# KiCad board EBAZ4205.kicad_pcb (continued)
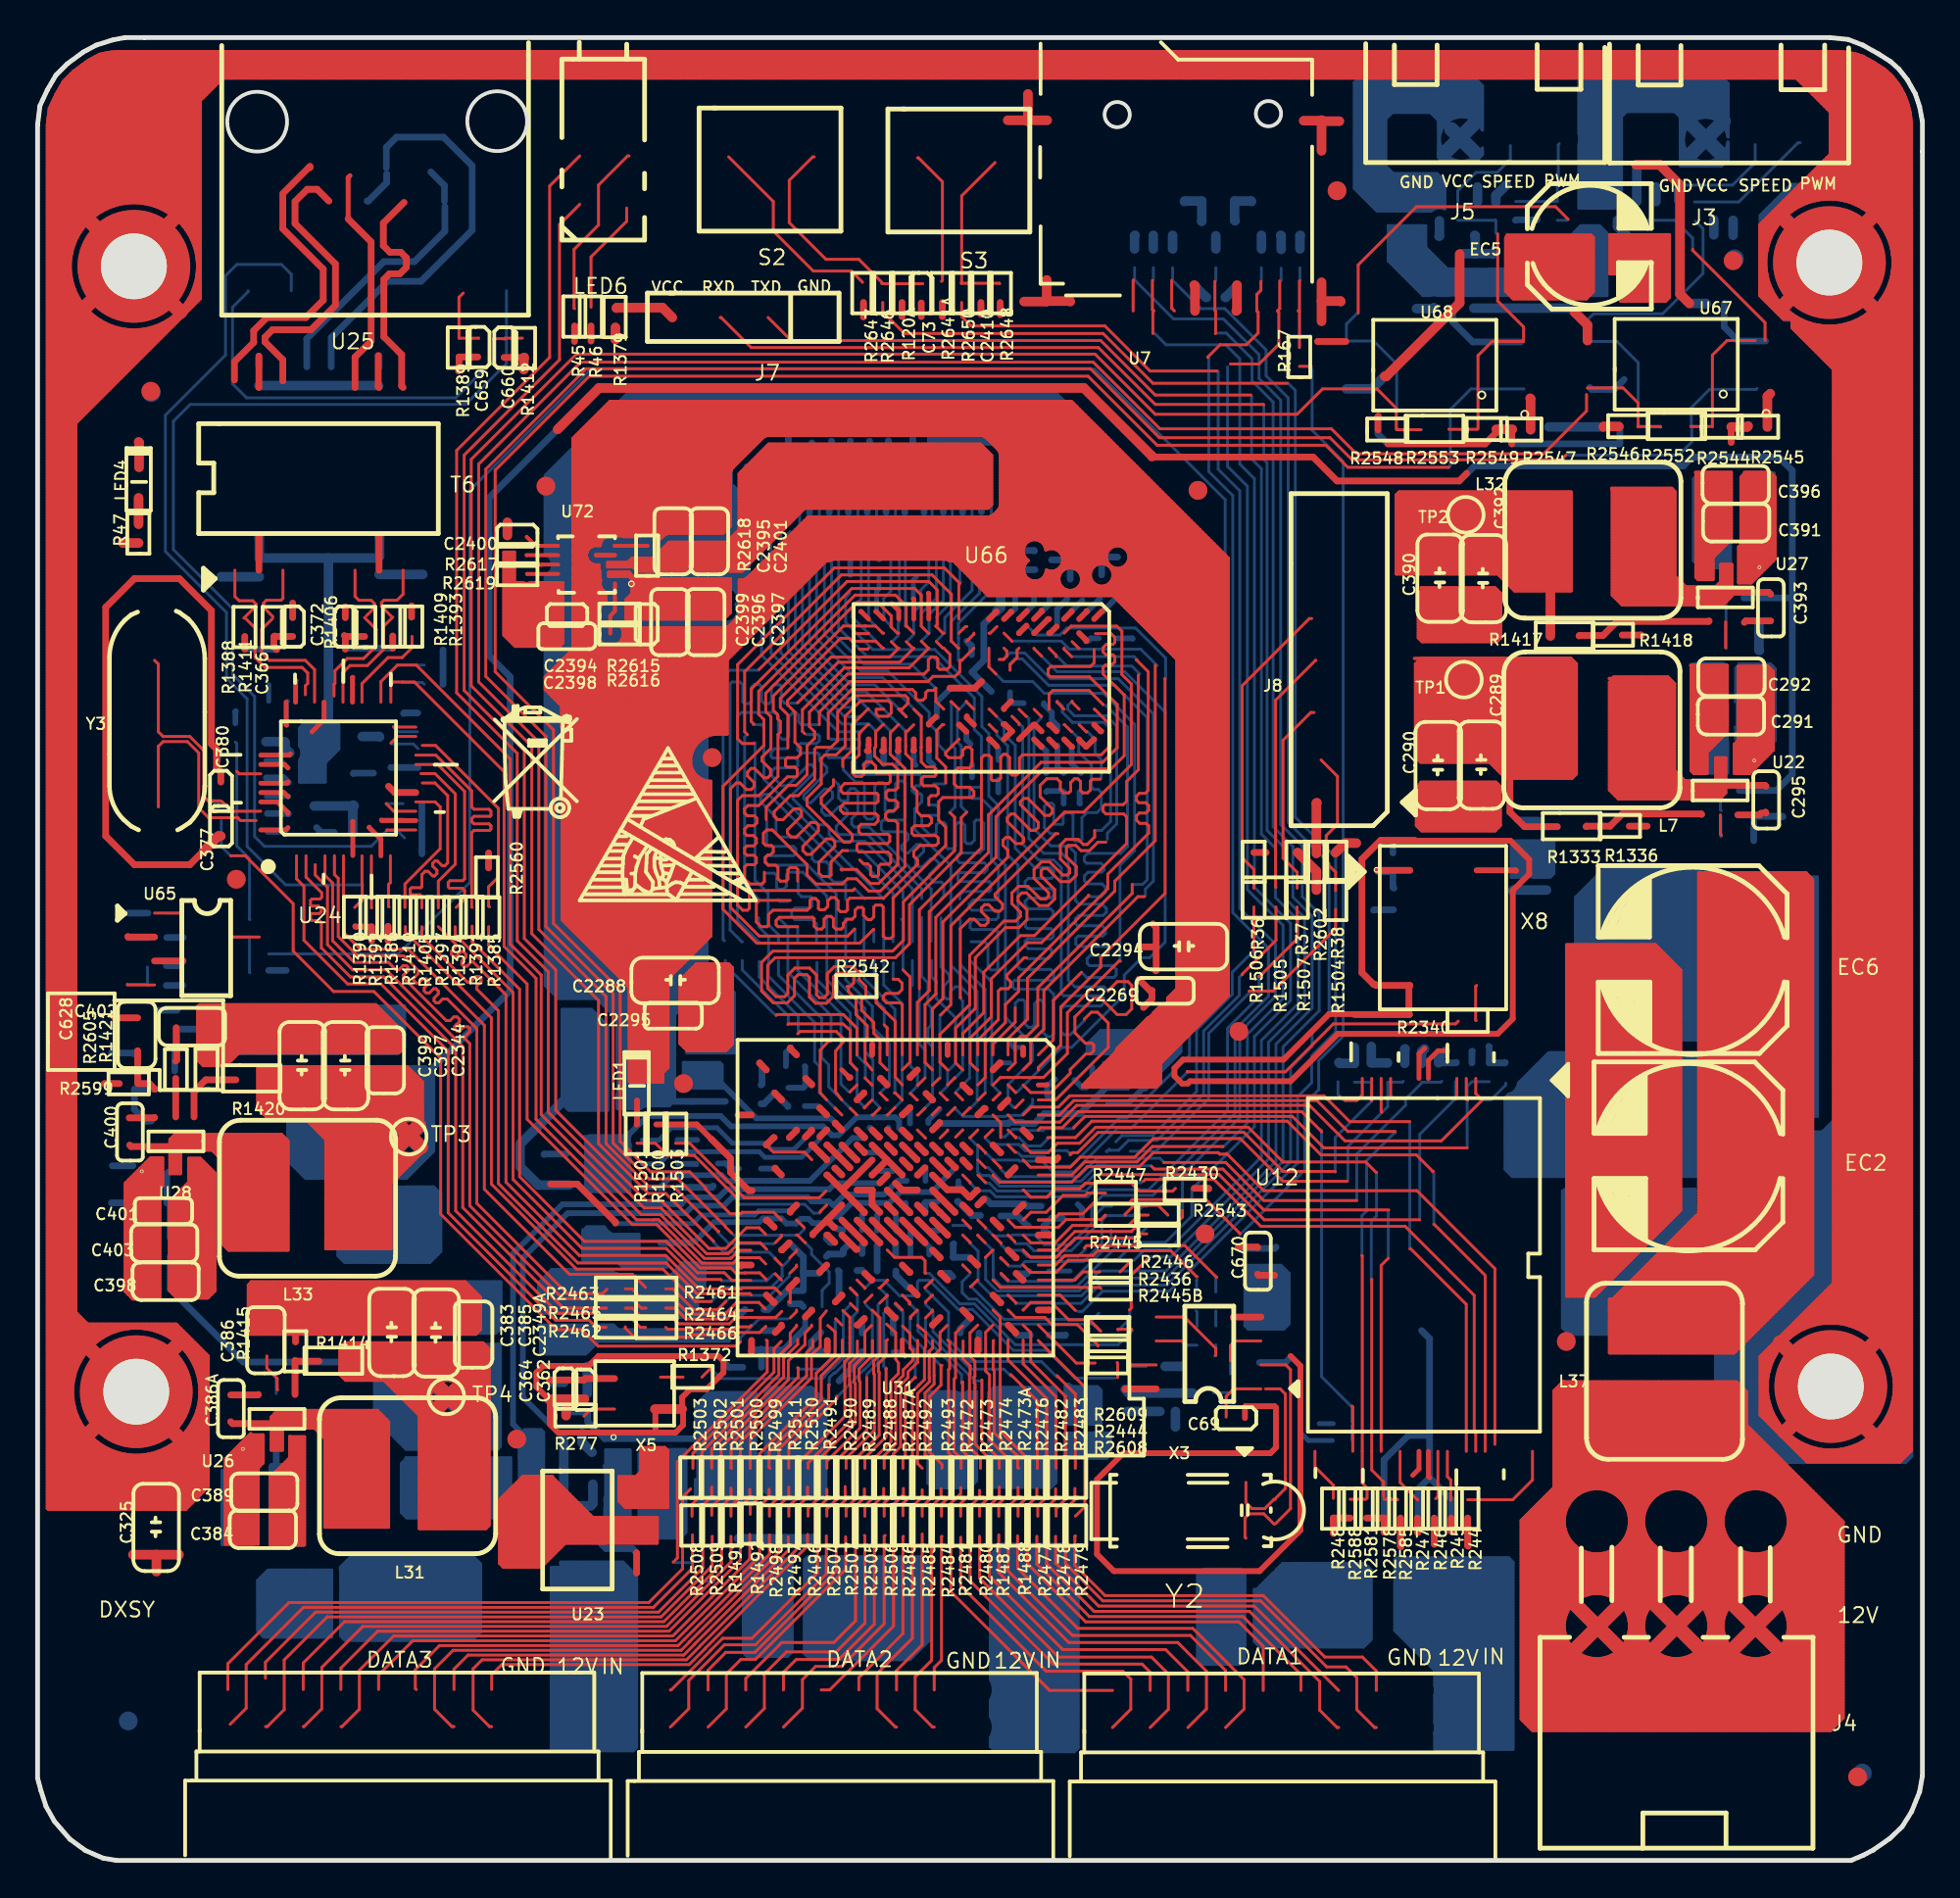
[diagram p0: board, top side]
## Routing (per net, layer and track width the routed paths; a pad name or vN(x,y) marks a point on that pad's centre or on a via; arc(x,y) is an arc through that point) (continued)
18.35,39.77 ; 75.28,61.74 75.28,62.26 ; 46.45,60.42 46.45,60.55 ; 73.7,82.82 76.39,82.82 ; 42.51,33.28 42.51,38.86 ; 39.72,31.57 39.72,31.8 ; 71.22,37.02 71.22,39.58 ; 49.94,37.1 50.07,37.1 ; 46.58,38.84 46.58,40.49 ; 42.43,43.96 56.05,43.96 ; 83.53,75.97 91.85,75.97 ; 52.67,66.89 52.67,69.58 ; 92.04,45.58 92.04,75.77 ; 39.37,38.12 40.75,38.12 ; 34.51,82.7 35.59,82.7 ; 36.78,87.52 41.24,87.52 ; 71.35,63.39 75.28,63.39 75.28,71.18 ; 40.37,34.31 41.27,34.31 ; 16.96,9.55 17.33,9.55 ; 15.03,7.39 15.25,7.39 ; 52.17,0.53 52.17,6.28 ; 52.08,6.24 56.79,6.24 ; 18.94,57.81 42.07,57.81 ; 19.02,60.74 19.02,64.15 ; 53.06,89.44 53.06,94.25 ; 48.93,64.66 51.54,64.66 ; 18.08,14.12 18.19,14.12 ; 45.69,36.44 45.69,37.29 ; 33.79,8.02 35.57,8.02 ; 9.24,0.55 9.24,6.85 ; 53.44,89.24 53.44,94.21 ; 1.94,14.63 17.66,14.63 ; 2.89,48.79 4.73,48.79 ; 9.29,90.32 13.57,90.32 ; 64.49,48.74 64.49,77.62 ; 73.48,72.16 75.37,72.16 ; 37.3,36.98 42.84,36.98 ; 38.7,83.04 38.7,95.76 ; 66.47,19.2 79.61,19.2 ; 83.54,52.01 83.54,52.42 ; 65.99,14.37 66.28,14.37 ; 75.28,8 75.28,8.12 ; 61.69,7.87 61.69,8.26 ; 42.34,8.4 43.06,8.4 ; 71.6,40.21 71.6,52.42 ; 67.66,69.8 67.66,70.67 ; 59.79,47.62 59.79,62.54 ; 43.78,25.9 43.78,28.52 ; 89.55,71.78 93.08,71.78 ; 48.82,43.45 69.72,43.45 ; 18.51,80.18 18.51,89.17 ; 2.89,47.14 12.91,47.14 ; 52.07,89.94 69.9,89.94 ; 25.12,0.54 25.12,82.64 ; 59.86,47.52 63.96,47.52 ; 18.26,8.05 18.26,8.18 ; 44.21,82.44 47.86,82.44 ; 43.02,30 43.02,30.15 ; 60.47,86.89 61.79,86.89 ; 47.63,90.06 50.57,90.06 ; 52.8,48.4 52.8,60.55 ; 10.51,58.36 10.51,60.78 ; 56.59,54.63 89.21,54.63 ; 48.34,33.93 49.35,33.93 ; 10.64,49.3 40.28,49.3 ; 68.68,36.77 68.68,38.6 ; 52.93,0.53 52.93,21.68 ; 39.59,32.95 39.59,38.46 ; 16.3,87.9 16.71,87.9 ; 85.31,52.01 85.31,78.15 ; 12.92,47.63 12.92,60.21 ; 10.76,76.56 10.76,82.73 ; 49.5,25.67 49.87,25.67 ; 46.71,87.27 51.41,87.27 ; 12.03,83.96 12.03,90.71 ; 63.98,8.53 64.45,8.53 ; 44.29,7.82 44.29,8.36 ; 49.93,30.25 65.93,30.25 ; 73.57,68.98 93.09,68.98 ; 34.68,82.32 35.42,82.32 ; 21.56,89.25 21.56,96.32 ; 77.69,61.78 77.69,81.52 ; 11.05,9.16 11.2,9.16 ; 9.29,90.44 13.61,90.44 ; 28.78,9.8 33.1,9.8 ; 82.39,51.04 82.39,51.56 ; 34.58,9.29 34.78,9.29 ; 75.03,74.54 75.03,84.2 ; 23.72,9.91 23.72,23.81 ; 53.35,68.98 53.64,68.98 ; 46.44,47.39 55.17,47.39 ; 87.8,49.55 93.14,49.55 ; 37.69,91.02 37.69,95.87 ; 56.36,7.46 56.36,8.66 ; 68.96,69.24 69.69,69.24 ; 86.46,40.09 86.46,48.83 ; 85.19,38.84 85.19,50.67 ; 41.75,74.95 41.75,81.26 ; 70.33,59.73 70.33,60.47 ; 66.64,30.57 66.64,78.26 ; 2.92,39.52 18.49,39.52 ; 52.93,65.98 52.93,66.22 ; 61.32,34.56 71.51,34.56 ; 51.57,33.04 51.68,33.04 ; 90.9,44.45 90.9,76.9 ; 51.91,65.29 51.91,86.84 ; 16.35,64.87 16.35,70.75 ; 49.88,30.84 49.88,31 ; 36.67,25.03 36.67,29.36 ; 9.29,89.17 14.41,89.17 ; 45.94,37.49 46.91,37.49 ; 2.9,44.22 28.32,44.22 ; 75.37,43.07 76.92,43.07 ; 28.93,7.67 28.93,8.55 ; 43.37,13.86 66.28,13.86 ; 4.41,70.53 4.41,76.29 ; 34.26,9.8 34.26,67.34 ; 51.57,32.66 51.74,32.66 ; 25.12,94.32 25.12,96.32 ; 52.17,45.74 58.65,45.74 ; 22.96,93.69 22.96,96.32 ; 10,93.36 10,96.32 ; 22.23,89.05 28.61,89.05 ; 45.82,33.23 45.82,34.16 ; 39.16,75.2 42.02,75.2 ; 81.69,74.95 92.88,74.95 ; 61.56,84.24 61.56,87.17 ; 60.08,6.75 60.34,6.75 ; 36.85,44.6 39.19,44.6 ; 1.9,7.39 9.23,7.39 ; 47.46,34.18 48.54,34.18 ; 49.24,40.79 50.04,40.79 ; 29.31,91.53 29.31,96.32 ; 21.05,6.88 21.26,6.88 ; 78.71,55.79 78.71,75.1 ; 34.25,6.37 35.11,6.37 ; 64.74,9.84 64.74,45.98 ; 44.5,6.62 44.91,6.62 ; 52.17,25.89 52.17,27.7 ; 6.64,78.51 66.12,78.51 ; 45.84,40.41 47.06,40.41 ; 48.23,82.56 48.23,94.76 ; 44.8,7.29 44.8,8.89 ; 12.97,7.51 13.29,7.51 ; 54.41,64.41 54.86,64.41 ; 48.61,6.88 48.82,6.88 ; 2.88,51.58 17.08,51.58 ; 37.32,36.85 42.83,36.85 ; 58.9,48.88 58.9,50.91 ; 10.12,27.71 27.01,27.71 ; 14.36,17.8 59.96,17.8 ; 66.9,7.94 66.9,8.18 ; 3.65,41.73 3.65,75.53 ; 55.21,0.53 55.21,28.83 ; 18.57,8.28 19.73,8.28 ; 78.07,0.52 78.07,75.28 ; 18.89,0.54 18.89,6.57 ; 71.13,70.76 72.2,70.76 ; 53.4,68.47 54.67,68.47 ; 19.15,76.56 19.15,87.51 ; 47.09,66.09 47.09,72.01 ; 25.88,65.82 25.88,65.97 ; 38.58,9.33 38.58,52.19 ; 10.59,48.92 58.33,48.92 ; 65.76,19.86 65.76,30.76 ; 44.6,6.88 44.81,6.88 ; 7.79,79.65 62.1,79.65 ; 48.17,65.43 49.12,65.43 ; 80.63,75.97 83.12,75.97 ; 2.83,66.19 25.26,66.19 ; 59.91,63.26 59.91,94.19 ; 9.29,91.59 10.08,91.59 ; 57.04,66.44 67.15,66.44 ; 4.91,70.25 11.44,70.25 ; 52.44,9.67 56.51,9.67 ; 10.12,28.09 51.66,28.09 ; 23.07,9.29 23.26,9.29 ; 66.64,9.77 66.64,13.11 ; 56.99,9.95 56.99,21.46 ; 21.86,64.16 43.55,64.16 ; 51.79,45.69 51.79,60.51 ; 2,3.19 2,17.24 ; 35.02,9.73 35.02,22.95 ; 45.56,38.89 45.56,39.69 ; 67.91,69.88 67.91,70.59 ; 45.13,44.09 56.11,44.09 ; 10.64,53.55 10.64,57.58 ; 43.02,30.8 43.02,36.54 ; 14.7,88.84 14.7,89.2 ; 84.93,38.59 84.93,50.67 ; 36.42,46.68 36.42,66.2 ; 3.62,1.54 79.68,1.54 ; 45.05,60.21 45.05,64.74 ; 44.67,44.59 44.67,46.76 ; 52.41,25.04 57.48,25.04 ; 23.59,7.85 23.59,8.37 ; 73.12,7.99 73.12,8.13 ; 55.41,61.87 56.51,61.87 ; 76.17,7.2 76.17,8.92 ; 9.07,30.5 36.25,30.5 ; 2.83,66.31 25.25,66.31 ; 31.11,80.79 78.42,80.79 ; 84.31,75.08 92.75,75.08 ; 42.13,75.22 42.13,81.53 ; 72.29,34.56 80.83,34.56 ; 65.97,31.52 79.56,31.52 ; 88.36,70.39 88.36,70.62 ; 40.72,51.84 43.1,51.84 ; 2.92,39.14 19.2,39.14 ; 75.15,40.78 75.15,42.75 ; 81.64,74.57 93.08,74.57 ; 67.41,69.61 67.41,70.86 ; 55.34,68.24 55.34,94.01 ; 53.89,88.67 60.88,88.67 ; 34.51,9.47 34.51,67.51 ; 72.06,7.51 72.43,7.51 ; 52.61,8.78 56.31,8.78 ; 12.42,25.86 12.42,64.21 ; 45.05,59.43 45.05,59.94 ; 43.4,13.82 43.4,14.05 ; 10.38,49.53 10.38,53.1 ; 19.65,76.56 19.65,87.4 ; 36.23,38.5 38.81,38.5 ; 69.69,36.54 69.69,40.1 ; 33.88,16.27 33.88,67.49 ; 53.97,87.78 71.45,87.78 ; 43.02,37.21 43.02,39.7 ; 14.83,76.56 14.83,87.66 ; 58.14,86.79 58.14,92.27 ; 26.64,65.87 26.64,65.96 ; 54.51,62 54.79,62 ; 71.69,52.6 78.29,52.6 ; 70.1,6.75 70.37,6.75 ; 71.75,8.28 72.73,8.28 ; 49.73,61.87 51.44,61.87 ; 2.85,58.69 44.79,58.69 ; 27.53,76.54 27.53,96.32 ; 2.86,56.66 8.89,56.66 ; 66.15,9.04 66.3,9.04 ; 24.48,84.35 24.48,90.71 ; 60.29,63.14 60.29,83.71 ; 20.54,91.03 20.54,96.32 ; 45.05,9.73 45.05,25.82 ; 44.19,60.85 45.83,60.85 ; 51.02,38.02 51.02,38.19 ; 51.02,32.4 51.02,32.51 ; 3.25,1.93 79.67,1.93 ; 39.97,75.18 39.97,95.63 ; 73.42,32.53 79.56,32.53 ; 71.25,64.54 89.43,64.54 ; 65.63,15.03 65.63,17.39 ; 13.05,25.9 13.05,47.02 ; 26.89,7.71 26.89,8.52 ; 72.49,72.8 72.49,86.74 ; 45.74,59.84 45.93,59.84 ; 49.71,60.35 50.74,60.35 ; 63.09,26.94 63.09,30.85 ; 54.71,0.53 54.71,37.37 ; 22.45,88.79 28.18,88.79 ; 19.54,15.13 66.16,15.13 ; 53.82,38.86 53.82,40.92 ; 67.62,13.48 79.63,13.48 ; 23.32,84.22 24.31,84.22 ; 33.12,9.82 33.12,19.44 ; 68.38,59.71 70.27,59.71 ; 29.8,81.05 30.37,81.05 ; 54.33,55.04 54.33,58.93 ; 2.82,69.24 53.56,69.24 ; 28.67,7.91 28.67,8.32 ; 65.5,93.92 65.5,95.69 ; 60.66,84.35 62.39,84.35 ; 32.4,90.7 35.8,90.7 ; 27.4,27.53 27.4,35.62 ; 56.94,57.55 93.12,57.55 ; 76.8,0.53 76.8,40.09 ; 18.13,8.05 18.13,8.17 ; 11.95,84.09 12.75,84.09 ; 73.76,34.44 73.76,60.5 ; 60.72,84.22 61.42,84.22 ; 23.38,82.95 24.24,82.95 ; 51.53,31.55 51.53,31.8 ; 17.66,51.84 40.18,51.84 ; 59.74,49.8 86.42,49.8 ; 20.39,8.02 21.92,8.02 ; 70.43,43.45 72.47,43.45 ; 60.39,62.89 75.07,62.89 ; 61.82,84.14 61.82,86.88 ; 34.77,9.24 34.77,86.92 ; 28.42,8.02 33.56,8.02 ; 7.84,0.55 7.84,17.51 ; 2.94,31.26 8.46,31.26 ; 49.37,40.35 49.37,45.64 ; 61.95,87.64 61.95,94.88 ; 41.5,0.54 41.5,6.19 ; 19.77,15.26 66.19,15.26 ; 32.32,87.78 34.12,87.78 ; 46.7,36.6 46.95,36.6 ; 21.08,9.04 21.23,9.04 ; 91.92,45.45 91.92,75.9 ; 47.98,45.41 47.98,57.17 42.52,57.17 ; 42.13,9.89 42.13,12.58 ; 77.62,43.33 89.75,43.33 ; 62.71,0.53 62.71,6.3 ; 47.98,75.12 47.98,81.82 ; 49.25,46.29 49.25,55.46 ; 52.55,0.53 52.55,6.67 ; 49.25,32.98 49.25,34.37 ; 52.8,38.83 52.8,47.7 ; 62.07,7.42 62.07,8.7 ; 45.45,75.08 45.9,75.08 ; 63.6,33.46 63.6,79.26 ; 33.62,8.03 33.62,8.15 ; 48.65,59.2 50.66,59.2 ; 61.31,84.16 61.31,88.03 ; 74.9,61.84 74.9,73.81 ; 58.99,46.88 63.81,46.88 ; 12.92,26 12.92,47.12 ; 65.76,0.53 65.76,6.32 ; 63.47,37.99 75.69,37.99 ; 15.27,90.57 15.72,90.57 ; 12.42,76.56 12.42,90.83 ; 68.61,63.14 70.04,63.14 ; 13.05,55.26 13.05,56.34 ; 45.49,65.3 47.67,65.3 ; 51.28,59.57 51.28,59.77 ; 2.89,48.92 4.5,48.92 ; 13.59,58.44 18.51,58.44 ; 28.95,42.95 36.18,42.95 ; 66.13,7.26 66.32,7.26 ; 42.49,72.41 42.73,72.41 ; 63,84.22 64.75,84.22 ; 51.91,89.36 51.91,89.81 69.9,89.81 ; 88.75,72.16 88.98,72.16 ; 5.05,49.48 5.05,50.12 ; 3.27,29.4 3.27,41.07 ; 79.09,55.6 79.09,80.12 ; 45.18,65.18 45.18,65.33 ; 70.07,59.61 70.07,60.59 ; 27.59,25.42 41.82,25.42 ; 66.49,84.09 66.76,84.09 ; 43.28,9.9 43.28,12.66 ; 2.88,49.04 4.43,49.04 ; 52.29,22.02 52.29,22.35 ; 13.05,7.26 13.22,7.26 ; 42.13,44.01 42.13,57.2 ; 46.32,27.2 46.32,28.53 ; 16.61,9.9 16.61,54.94 ; 47.32,46.38 56.59,46.38 ; 52.8,24.67 52.8,38.05 ; 20.76,8.4 21.55,8.4 ; 13.08,64.28 16.03,64.28 ; 71.34,66.95 71.34,68.45 ; 2.51,2.68 2.51,17.47 ; 48.45,33.68 49.26,33.68 ; 51.91,38.88 51.91,39.7 ; 2.87,54.38 54.02,54.38 ; 21.32,73.55 37.52,73.55 ; 46.71,65.93 46.71,66.77 ; 78.96,0.52 78.96,52.41 ; 65.88,0.53 65.88,6.42 ; 41.24,31.49 41.24,34.38 ; 45.31,9.91 45.31,25.84 ; 2.81,70.38 4.2,70.38 ; 69.82,61.9 69.82,63.36 ; 2.84,63.77 19.54,63.77 ; 57.01,68.35 67.39,68.35 ; 61.18,83.99 61.18,87.94 ; 46.94,66.95 67.3,66.95 ; 58.77,0.53 58.77,6.26 ; 39.44,72.41 39.66,72.41 ; 77.72,61.74 87.98,61.74 ; 36.38,23.77 51.67,23.77 ; 44.93,60.35 45.14,60.35 ; 40.78,52.34 71.09,52.34 ; 75.36,74.44 81.16,74.44 ; 77.44,61.9 77.44,81.78 ; 22.55,88.54 28.01,88.54 ; 55.34,59.84 55.51,59.84 ; 32.23,90.19 35.93,90.19 ; 6.57,0.55 6.57,17.5 ; 64.74,47.37 64.74,48.03 ; 46.83,28.99 46.83,30.45 ; 28.93,43.84 34.93,43.84 ; 35.78,33.38 35.78,38.01 ; 88.11,41.71 88.11,61.58 ; 49.57,59.71 50.88,59.71 ; 56.74,9.85 56.74,21.48 ; 38.33,7.77 39.05,7.77 ; 7.66,79.52 62.47,79.52 ; 10.64,64.54 10.64,70.75 ; 67.62,13.61 79.63,13.61 ; 41.37,60.77 41.37,72.14 ; 13.3,7.54 13.3,8.69 ; 71.09,31.31 71.09,36.27 ; 48.86,62.64 48.86,63.54 ; 24.94,94.38 51.83,94.38 ; 55.21,68.49 55.21,94.02 ; 50.39,75.19 50.39,94.53 ; 58.21,93.49 64.7,93.49 ; 50.64,35.54 50.64,35.71 ; 3.65,29.37 3.65,40.97 ; 17.88,0.54 17.88,6.24 ; 37.69,10 37.69,26.81 ; 31.08,91.57 31.08,96.32 ; 75.02,60.73 75.17,60.73 ; 72.49,7.61 72.49,8.52 ; 4.54,46.94 4.54,48.88 ; 65.12,8 65.12,8.13 ; 15.97,90.85 15.97,96.32 ; 67.92,9.67 68.55,9.67 ; 68.04,72.43 68.04,79.23 ; 76.68,72.21 76.68,82.54 ; 71.48,50.69 82.49,50.69 ; 48.99,68.36 48.99,72.07 ; 67.15,86.89 67.15,95.85 ; 32.16,87.52 34.22,87.52 ; 20.3,88.92 20.94,88.92 ; 2.84,62.76 19.03,62.76 ; 71.34,40.64 71.34,50.27 ; 49.12,40.34 49.12,40.56 ; 48.36,38.25 48.55,38.25 ; 62.45,27.18 62.45,30.79 ; 71.99,79.27 79.94,79.27 ; 48.61,38.81 48.61,39.75 ; 23.08,9.17 23.08,23.78 ; 61.06,9.96 61.06,16.51 ; 11.91,84.15 11.91,90.69 ; 48.36,43.81 48.36,44.75 ; 18.96,8.66 19.34,8.66 ; 40.86,9.48 40.86,12.36 ; 22.58,7.95 22.58,8.27 ; 74.69,33.93 80.18,33.93 ; 58.01,9.51 58.01,24.7 ; 19.53,9.79 19.53,13.83 ; 27.61,25.67 43.73,25.67 ; 43.78,8.02 43.78,8.15 ; 44.35,41.42 44.51,41.42 ; 23.59,0.54 23.59,6.4 ; 69.18,40.52 69.18,96.06 ; 68.93,37.03 68.93,55.94 ; 56.32,51.33 58.51,51.33 ; 50.64,60.99 50.64,62.99 ; 49.08,39.77 49.35,39.77 ; 11.03,9.29 11.22,9.29 ; 32.37,90.95 35.84,90.95 ; 64.99,86.87 64.99,92.17 ; 2.94,32.41 8.28,32.41 ; 72.11,34.96 72.11,38.43 ; 21.94,89.21 21.94,96.32 ; 19.4,90.49 19.4,96.32 ; 17.24,0.54 17.24,6.93 ; 75.28,40.89 75.28,42.85 ; 70.33,0.53 70.33,6.9 ; 14.34,17.29 59.5,17.29 ; 39.47,0.54 39.47,6.2 ; 57.25,48.05 57.25,54.01 ; 43.49,74.95 43.78,74.95 ; 14.21,82.95 21.97,82.95 ; 10.12,25.29 12.58,25.29 ; 86.58,40.22 86.58,48.72 ; 45.69,0.54 45.69,6.17 ; 41.75,10 41.75,12.33 ; 68.8,0.53 68.8,6.25 ; 22.32,88.97 22.32,96.32 ; 18.64,91.02 18.64,96.32 ; 42.44,59.58 50.84,59.58 ; 36.5,30.5 42.86,30.5 ; 36.92,29.48 38.87,29.48 ; 37.15,33.17 38.91,33.17 ; 42.77,0.54 42.77,12.68 ; 67.66,67.26 67.66,68.14 ; 46.58,61.05 46.58,64.7 ; 47.54,31.52 49.3,31.52 ; 63.22,26.9 63.22,37.63 ; 5.62,77.49 64.86,77.49 ; 44.3,28.6 46.2,28.6 ; 88.87,42.46 88.87,59.58 ; 40.44,43.2 48.1,43.2 48.1,42.04 ; 44.5,72.54 44.78,72.54 ; 36.83,43.2 39.66,43.2 ; 47.85,9.99 47.85,26.07 ; 49.12,9.78 49.12,25.06 ; 40.25,31.77 47.86,31.77 ; 48.63,8.91 48.81,8.91 ; 19.78,15.77 33.45,15.77 ; 19.27,15.86 19.27,37.8 ; 50.9,37.05 50.9,37.53 ; 36.66,44.34 39.56,44.34 ; 58.23,24.91 79.59,24.91 ; 23.72,25.2 23.72,25.65 ; 48.52,82.32 69.89,82.32 ; 49.37,56.19 49.37,59.68 ; 71.26,65.81 93.1,65.81 ; 55.34,0.53 55.34,28.85 ; 22.7,84.48 22.7,91.94 ; 16.1,64.75 16.1,70.75 ; 24.7,6.37 25.63,6.37 ; 6.7,0.55 6.7,17.5 ; 65.5,31.37 65.5,53.28 ; 37.31,24.75 37.31,27.22 ; 37.18,35.21 37.18,36.55 ; 15.08,0.55 15.08,70.75 ; 33.24,22.04 33.24,67.51 ; 46.59,7.39 46.83,7.39 ; 59.15,36.35 59.15,36.58 ; 52.42,23.64 68.17,23.64 ; 8.86,0.55 8.86,17.58 ; 10.43,48.79 58.24,48.79 ; 73.52,72.54 88.23,72.54 ; 65.12,77.85 65.12,83.66 ; 3.45,75.33 8.27,75.33 ; 2.93,36.72 36.55,36.72 ; 88.87,60.13 88.87,61.59 ; 56.6,55.01 78.69,55.01 ; 71.47,50.71 71.47,52.32 ; 22.32,84.41 22.32,87.68 ; 28.16,43.99 28.16,87.53 ; 17.63,52.09 40.06,52.09 ; 38.35,26.94 45.77,26.94 ; 43.4,49.96 43.4,51.34 ; 12.67,64.84 12.67,70.75 ; 41.37,75.09 41.37,81.2 ; 34.26,82.92 34.26,87.44 ; 16.99,89.08 16.99,89.3 ; 5.07,46.88 7.48,46.88 ; 72.36,71.27 72.36,71.4 ; 44.12,53.23 93.13,53.23 ; 49.82,34.82 60.6,34.82 ; 28.29,10.02 28.29,42.86 ; 54.33,0.53 54.33,25.41 ; 12.06,94.38 23.98,94.38 ; 42.9,29.9 42.9,30.3 ; 18.51,7.98 18.51,8.25 ; 73.66,6.24 74.84,6.24 ; 9.28,83.46 10.28,83.46 ; 51.79,38.81 51.79,39.76 ; 86.84,51.22 86.84,51.6 ; 68.62,65.68 70.03,65.68 ; 60.89,22.88 68.06,22.88 ; 63.08,86.38 64.75,86.38 ; 13.69,56.78 13.69,57.99 ; 44.4,31.14 46.86,31.14 ; 27.4,0.54 27.4,6.61 ; 50.26,38.02 50.26,38.14 ; 14.87,8.53 15.41,8.53 ; 44.34,8.4 45.07,8.4 ; 70.58,64.83 70.58,65.51 ; 40.43,72.28 40.7,72.28 ; 39.21,38.87 39.21,40.46 ; 50.79,35.2 69.81,35.2 ; 9.11,30.36 9.11,30.85 ; 41.97,38.76 43.79,38.76 ; 2.86,55.9 18.37,55.9 ; 74.77,7.87 74.77,8.25 ; 46.32,67.43 46.32,72.02 ; 58.46,37.61 59.88,37.61 ; 4.34,76.22 8.27,76.22 ; 73.47,71.52 75.18,71.52 ; 90.11,64.28 93.1,64.28 ; 47.21,7.88 47.21,8.29 ; 84.55,53.05 84.55,75.27 ; 34.64,0.54 34.64,81.79 ; 34.13,0.54 34.13,6.29 ; 48.92,55.65 49.09,55.65 ; 18.96,54.88 53.98,54.88 ; 46.58,26.07 46.58,28.53 ; 48.36,39.52 71.28,39.52 ; 19.02,64.9 19.02,70.75 ; 73.55,70.25 88.25,70.25 ; 50.76,35.07 69.81,35.07 ; 46.63,9.16 46.79,9.16 ; 69.82,57.23 69.82,58.3 ; 56.61,22.8 56.61,36.12 ; 28.93,43.32 28.93,43.8 ; 58.52,86.88 58.52,93.93 ; 1.92,12.09 79.64,12.09 ; 46.83,66.04 46.83,66.83 ; 47.37,38.88 48.02,38.88 ; 48.74,38.88 48.74,39.69 ; 8.26,34.06 8.46,34.06 ; 2.64,2.55 2.64,17.47 ; 11.65,76.56 11.65,79.73 ; 37.2,81.81 38,81.81 ; 49.37,37.22 49.37,38.18 ; 51.79,65.29 51.79,86.91 ; 53.56,89.13 53.56,94.2 ; 68.42,69.83 68.42,70.64 ; 8.79,31.9 38.89,31.9 ; 45.52,72.54 45.79,72.54 ; 55.09,39.41 55.09,58.9 ; 84.3,37.97 84.3,51.54 ; 56.1,0.53 56.1,21.48 ; 50.9,32.25 50.9,32.63 ; 52.39,45.23 58.49,45.23 ; 59.66,84.31 59.66,86.23 ; 74.65,61.62 74.65,84.58 ; 59.18,45.61 92.08,45.61 ; 12.8,76.56 12.8,82.95 ; 2.92,37.99 19.08,37.99 ; 50.39,7.74 50.39,8.43 ; 52.55,66.88 52.55,86.67 ; 82.65,36.35 82.65,50.59 ; 88.87,72.84 88.87,73.07 ; 2.81,71.65 8.27,71.65 ; 20.04,63.99 20.04,70.75 ; 68.86,56.79 69.65,56.79 ; 9.82,28.72 39.66,28.72 ; 2.94,32.66 8.48,32.66 ; 74.65,36.81 74.65,42.88 ; 80.23,76.64 80.23,78.98 ; 36.93,30 36.93,33.06 ; 42.74,57.55 47.99,57.55 ; 41.24,88.78 41.24,89.7 ; 19.14,90.83 20.02,90.83 ; 40.61,33.99 40.61,38.19 ; 43.78,82.51 43.78,87.48 ; 58.56,29.36 66.05,29.36 ; 11.91,82.95 12.79,82.95 ; 17.01,9.42 17.28,9.42 ; 69.27,36.98 71.07,36.98 ; 46.71,29.91 46.71,30.25 ; 60.38,19.32 65.32,19.32 ; 44.67,0.54 44.67,29.33 ; 46.7,30.25 46.9,30.25 ; 42.51,14.59 42.51,24.31 ; 39.59,38.5 40.46,38.5 ; 39.44,33.17 39.74,33.17 ; 40.48,29.07 40.48,32.7 ; 48.36,26.67 48.36,31.82 ; 72.11,9.38 72.11,31.73 ; 49.98,31.14 50.9,31.14 ; 68.58,55.52 69.65,55.52 ; 53.18,89.39 53.18,94.24 ; 19.4,0.54 19.4,6.58 ; 46.91,59.33 48.15,59.33 ; 7.46,0.55 7.46,17.51 ; 2.86,56.03 8.9,56.03 ; 69.44,36.72 69.44,40.11 ; 42.04,38.5 43.61,38.5 ; 50.55,7.51 50.89,7.51 ; 14.82,6.5 15.46,6.5 ; 39.09,55.64 39.09,71.96 ; 55.47,60.24 55.47,64.8 ; 44.67,66.87 44.67,86.97 ; 1.9,8.02 9.88,8.02 ; 45.56,34.88 45.56,35.67 ; 50.36,8.4 51.09,8.4 ; 48.48,37.82 48.48,38.36 ; 28.8,89.08 28.8,89.8 ; 42.64,33.23 42.64,38.91 ; 32.1,0.54 32.1,16.05 ; 1.92,12.34 40.92,12.34 ; 63.22,38.37 63.22,79.31 ; 51.15,7.83 51.15,8.35 ; 12.29,76.56 12.29,90.78 ; 47.09,29.23 47.09,29.34 ; 54.33,62.09 54.33,63.7 ; 65.76,7.83 65.76,8.29 ; 52.32,22.37 52.58,22.37 ; 52.29,31.55 52.29,32.59 ; 43.87,51.71 55.72,51.71 ; 52.04,63.62 52.04,64.55 ; 71.34,40.17 71.34,40.26 ; 47.47,38.81 47.47,39.74 ; 68.85,63.39 69.8,63.39 ; 46.07,72.76 46.07,74.42 ; 73.44,72.03 75.28,72.03 ; 44.06,53.49 65.02,53.49 ; 2.94,33.8 7.61,33.8 ; 34.32,7.77 35.04,7.77 ; 57.63,7.9 57.63,8.23 ; 27.02,0.54 27.02,6.75 ; 36.56,8.78 36.81,8.78 ; 47.2,46.12 48.76,46.12 ; 17.75,0.54 17.75,6.29 ; 40.48,50.04 40.48,51.73 ; 48.36,82.51 48.36,94.75 ; 58.06,25.42 79.58,25.42 ; 84.9,51.96 85.21,51.96 ; 13.05,60.76 13.05,64.23 ; 73.38,34.45 73.38,39.15 ; 48.16,64.66 48.27,64.66 ; 45.94,29.91 45.94,32.72 ; 17.91,89.17 18.5,89.17 ; 19.31,89.56 19.85,89.56 ; 68.17,52.03 68.17,55.38 ; 50.02,31.26 50.88,31.26 ; 10.26,0.55 10.26,6.21 ; 76.8,63.03 76.8,71.15 ; 27.06,6.88 27.28,6.88 ; 26.28,92.98 56.5,92.98 ; 52.4,31.01 61.31,31.01 ; 45.24,41.55 46.84,41.55 ; 67.55,13.86 79.63,13.86 ; 50.01,25.88 50.01,28.73 ; 19.15,59.66 19.15,60.01 ; 68.8,56.87 68.8,58.26 ; 65.88,9.7 65.88,14.29 ; 8.35,30.45 8.35,32.01 ; 57.69,32.15 57.89,32.15 ; 62.45,86.78 62.45,95.05 ; 88.99,70.76 93.09,70.76 ; 56.87,0.53 56.87,6.21 ; 49.19,37.49 50.11,37.49 ; 10.12,20.21 13.08,20.21 ; 35.99,30.12 36.49,30.12 ; 84.17,52.91 84.17,75.06 ; 70.07,0.53 70.07,6.68 ; 23.46,26.32 23.46,83.06 ; 38.45,0.54 38.45,6.57 ; 15.34,90.45 15.34,96.32 ; 49.25,56.14 49.25,59.72 ; 2.87,52.47 38.3,52.47 ; 33.88,67.97 33.88,81.2 ; 65.04,48.66 87.33,48.66 ; 23.04,82.7 24.58,82.7 ; 14.57,60.47 14.57,70.75 ; 25.96,91.46 28.28,91.46 ; 73.38,28.48 73.38,32.37 ; 19.53,63.11 19.53,63.5 ; 59.53,64.01 59.53,80.93 ; 57.8,25.93 79.58,25.93 ; 41.5,40.42 41.5,60.07 ; 74.01,0.53 74.01,6.55 ; 58.39,51.58 58.63,51.58 ; 80.23,33.98 80.23,75.96 ; 57.75,38.12 57.86,38.12 ; 53.31,61.28 53.31,63.72 ; 44.29,65.09 44.29,65.45 ; 69.96,40.53 70.62,40.53 ; 21.32,74.32 74.74,74.32 ; 54.58,64.18 54.58,65.57 ; 46.96,72.74 46.96,74.49 ; 90.27,75.84 90.27,77.52 ; 44.17,29.21 44.17,29.32 ; 21.89,64.66 25.33,64.66 ; 40.99,29.23 40.99,32.57 ; 52.18,61.62 53.87,61.62 ; 49.88,0.53 49.88,6.19 ; 2.87,53.61 9.88,53.61 ; 15.03,6.88 15.25,6.88 ; 69.82,35.22 69.82,35.77 ; 75.66,73.89 75.66,83.56 ; 71.54,9.93 72.94,9.93 ; 6.7,45.55 6.7,78.57 ; 87.84,52.73 93.13,52.73 ; 56.46,22.88 56.73,22.88 ; 19.46,90.32 19.7,90.32 ; 44.23,66.44 37.05,66.44 37.05,37.22 ; 10.12,19.32 60.27,19.32 ; 24.1,81.36 24.1,83.18 ; 52.64,7.26 56.29,7.26 ; 45.14,40.53 45.37,40.53 ; 78.46,75.79 78.46,80.76 ; 65.24,46.76 93.15,46.76 ; 2.86,57.3 42.03,57.3 ; 10.12,20.09 12.91,20.09 ; 34.77,0.54 34.77,6.94 ; 53.44,41.57 53.44,58.88 ; 37.69,60.31 37.69,72.87 ; 9.28,85.11 74.11,85.11 ; 1.89,6.88 9.23,6.88 ; 38.45,60.7 38.45,63.01 ; 13.94,8.03 13.94,8.19 ; 73.38,0.53 73.38,6.16 ; 53.82,60.85 67.3,60.85 ; 52.42,38.65 52.42,40.74 ; 86.96,40.59 86.96,48.72 ; 76.26,63.65 88.06,63.65 ; 48.63,7.26 48.81,7.26 ; 37.18,37.15 37.18,81.77 ; 50.9,33.82 50.9,36.7 ; 74.67,36.72 83.03,36.72 ; 10.12,20.59 33.09,20.59 ; 66.52,14.51 66.52,14.73 ; 25.98,65.3 26.13,65.3 ; 72.74,9.83 72.74,32.28 ; 14.32,76.56 14.32,83.12 ; 29.05,91.63 29.05,96.32 ; 1.95,16.78 13.75,16.78 ; 34.59,8.91 34.77,8.91 ; 41.75,25.3 41.75,30.92 ; 15.34,76.56 15.34,87.41 ; 47.09,91.57 47.09,94.88 ; 58.36,26.06 79.58,26.06 ; 74.26,61.85 74.26,84.96 ; 57.25,0.53 57.25,6.15 ; 49.75,56.05 49.75,59.86 ; 62.96,81.55 62.96,83.81 ; 36.05,9.93 37.32,9.93 ; 57.34,46.12 64.11,46.12 ; 57.97,8.53 58.44,8.53 ; 36.67,0.54 36.67,24.02 ; 36.75,30.75 42.97,30.75 ; 2.87,54.88 12.94,54.88 ; 52.04,28.47 